# KiCad board DFTBoard.kicad_pcb (continued)
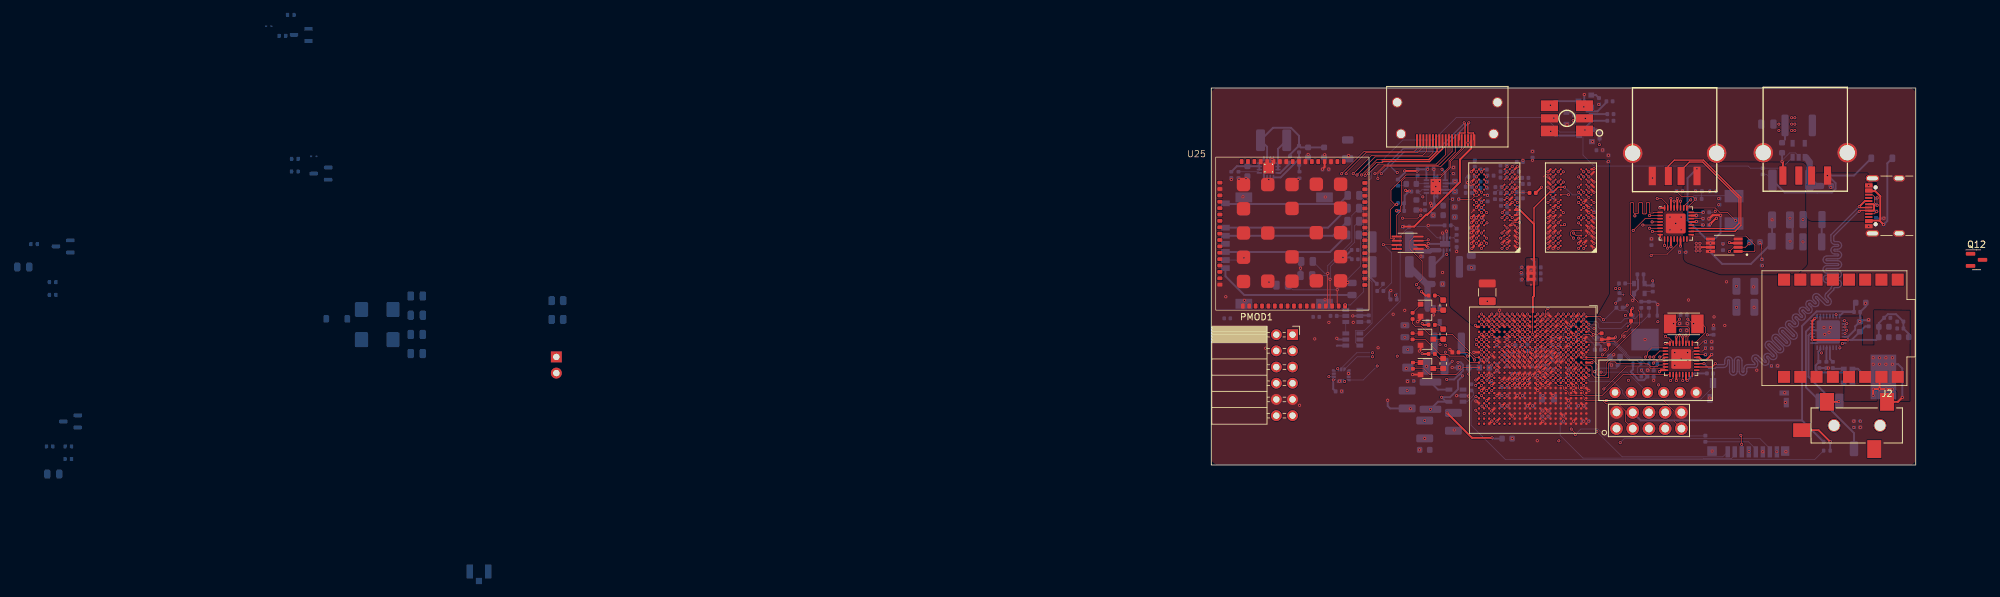
[diagram p0: board, top side]
## Library data of the parts (continued)
J2 = -: MFR: CUI Inc.; MPN: SJ-3524-SMT-TR; SPN: CP-3524SJCT-ND; SPR: Digikey
J3 = -: Description: Generic connector, single row, 01x02, script generated (kicad-library-utils/schlib/autogen/connector/)
J4 = -: MANUFACTURER: Global Connector Technology; MAXIMUM_PACKAGE_HEIGHT: 1.5mm; PARTREV: C; STANDARD: Manufacturer Recommendations
J8 = -: MFR: Amphenol ICC; MPN: 114-00841-68; SPN: 114-00841-68-1-ND; SPR: Digikey; SPURL: -
Je1 = -: Description: HDMI type A connector; MFR: Amphenol ICC; MPN: 10029449-111RLF; SPN: 609-4614-1-ND; SPR: Digikey; SPURL: -
L1-L4 L6 = -: MFR: Murata; MPN: LQH43PN2R2M26L; SPN: 490-12049-1-ND; SPR: Digikey
MIC1 = -: MFR: Knowles; MPN: SPW2430HR5H-B; SPN: 423-1394-1-ND; SPR: Digikey
Q1 Q3 Q5 Q8-Q10 = -: MFR: Infineon Technologies AG; MPN: IRLML2502TRPBF; SPN: IRLML2502PBFCT-ND; SPR: Digikey
Q2 Q4 Q6 Q11 = -: Description: NPN transistor, emitter/base/collector
Q12 = -: Description: -3.7A Id, -20V Vds, 65mOhm Rds, P-Channel HEXFET Power MOSFET, SOT-23
R1-R5 R16 R22 R27 R34 R81 R101 = -: Description: Resistor; MFR: Yageo; MPN: RC0402FR-07100KL; SPN: 311-100KLRTR-ND; SPR: Digikey
R6 R33 R36 R39 = -: Description: Resistor; MFR: Yageo; MPN: RC0402FR-0710KL; SPN: 311-10.0KLRTR-ND; SPR: Digikey
R7 R46 R49 = -: Description: Resistor; MFR: Yageo; MPN: RC0402FR-07240RL; SPN: 311-240LRTR-ND; SPR: Digikey; SPURL: -
R8-R10 R12 R14 R24 R28 R74 R107 R109 R111 R112 R114 = -: Description: Resistor, small symbol; MFR: Yageo; MPN: RC0402JR-074K7L; SPN: 311-4.7KJRCT-ND; SPR: Digikey; SPURL: -
R11 R13 R15 R19 R20 = -: Description: Resistor; MFR: Yageo; MPN: RC0402FR-07100RL; SPN: 311-100LRCT-ND; SPR: Digikey
R17 R29 R108 R110 R116 = -: Description: Resistor; MFR: Yageo; MPN: RC0402FR-0749K9L; SPN: 311-49.9KLRCT-ND; SPR: Digikey
R21 = -: Description: Resistor; MFR: Yageo; MPN: RC0402FR-07150RL; SPN: 311-150LRTR-ND; SPR: Digikey
R23 R25 R91-R97 R106 = -: Description: Resistor, small symbol; MFR: Yageo; MPN: RT0402BRD0720KL; SPN: YAG1388CT-ND; SPR: Digikey; SPURL: -
R26 = -: Description: Resistor, small symbol; MFR: Yageo; MPN: RC0402JR-0747RL; SPN: 311-47JRTR-ND; SPR: Digikey; SPURL: -
R32 R42-R45 R105 = -: Desc: Resistor SMD 0805; Link: http://www.dientuachau.com/res-1-0805
R35 R78 R80 R86 R102 = -: Description: Resistor, small symbol; MFR: Yageo; MPN: RC0402FR-07150RL; SPN: 311-150LRTR-ND; SPR: Digikey
R37 R40 = -: Description: Resistor, small symbol; MFR: Yageo; MPN: RC0402FR-071ML; SPN: 311-1.00MLRCT-ND; SPR: Digikey; SPURL: -
R38 R41 = -: Description: Resistor; MFR: Yageo; MPN: RC0402FR-078K06L; SPN: 311-8.06KLRTR-ND; SPR: Digikey; SPURL: -
R47 R48 = -: Description: Resistor, small symbol; MFR: Yageo; MPN: RC0402FR-0710KL; SPN: 311-10.0KLRCT-ND; SPR: Digikey; SPURL: -
R50 R75 R76 = -: Description: Resistor; MFR: Yageo; MPN: RC0402FR-0780R6L; SPN: 311-80.6LRTR-ND; SPR: Digikey; SPURL: -
R51-R73 = -: Description: Resistor, small symbol; MFR: Yageo; MPN: RC0402FR-0740R2L; SPN: 311-40.2LRTR-ND; SPR: Digikey; SPURL: -
R77 R79 R85 = -: Description: Resistor, small symbol; MFR: Yageo; MPN: RC0402FR-071KL; SPN: 311-1.00KLRCT-ND; SPR: Digikey
R82 R83 R98 R103 R104 = -: Description: Resistor; MFR: Yageo; MPN: RC0402JR-074K7L; SPN: 311-4.7KJRCT-ND; SPR: Digikey
R88-R90 = -: Description: Resistor; MFR: Bourns Inc; MPN: CRA2512-FZ-R050ELF; SPN: CRA2512-FZ-R050ELFCT-ND; SPR: Digikey; SPURL: -
R99 = -: Description: Resistor, small symbol; MFR: Yageo; MPN: RC0402FR-0747KL; SPN: 311-47.0KLRTR-ND; SPR: Digikey; SPURL: -
R100 = -: Description: Resistor, small symbol; MFR: Yageo; MPN: RC0402FR-0724K9L; SPN: 311-24.9KLRTR-ND; SPR: Digikey; SPURL: -
U1 U2 = -: Description: Simple Power Sequencer, SOT-23-6; MFR: Texas Instruments; MPN: LM3880MF-1AE/NOPB; SPN: LM3880MF-1AE/NOPBDKR-ND; SPR: Digikey; SPURL: -
U3 = -: MFR: Semtech Corporation; MPN: SC189ASKTRT; SPN: SC189ASKCT-ND; SPR: Digikey
U4 = -: MFR: Semtech Corporation; MPN: SC189ZSKTRT; SPN: SC189ZSKCT-ND; SPR: Digikey
U5 = -: Description: High-efficiency Step-down Converter; MFR: Texas Instruments; MPN: TLV62080DSGR; SPN: 296-39270-6-ND; SPR: Digikey; SPURL: -
U7 = -: MFR: Semtech Corporation; MPN: SC189LSKTRT; SPN: SC189LSKCT-ND; SPR: Digikey
U8 = -: Description: IC CONV DDR DDR2 DDR3 10SON; Category: Integrated Circuits (ICs); DK_Datasheet_Link: http://www.ti.com/lit/ds/symlink/tps51200.pdf; DK_Detail_Page: /product-detail/en/texas-instruments/TPS51200DRCR/296-26978-1-ND/2255274; Digi-Key_PN: 296-26978-1-ND; Family: PMIC - Voltage Regulators - Special Purpose; MFR: Texas Instruments; Manufacturer: Texas Instruments; SPN: 296-26978-1-ND; SPR: Digikey; SPURL: -; Status: Active
U9 = -: MFR: Texas Instruments; MPN: TLV320AIC3104IRHBR; SPN: 296-26818-1-ND; SPR: Digikey
U10 U12 = -: MFR: Microchip Technology; MPN: USB3320C-EZK-TR; Manufacturer: Microchip; SPN: USB3320C-EZK-CT-NDs; SPR: Digikey; SPURL: -
U11 = -: MFR: Microchip; MPN: MIC2025-1YMM-TR; SPN: MIC2025-1YMM-CT-ND; SPR: Digikey; SPURL: -
U13 = -: Description: 3A Step-Down Converter with DCS-Control, Fixed 3.3V Output Voltage, 3-17V Input Voltage, QFN-16
U15 U16 = -: Field4: V80a .256mx16 Ddr3 Sdram Plastic Commercial Pbf Fbga 1.35v; Field5: Micron Technology; Field6: None; Field7: MT41K256M16HA-125:E; Field8: Unavailable; MFR: Micron; MPN: MT41K256M16TW-107; SPN: 557-1792-ND; SPR: Digikey; SPURL: -
U18 = -: MFR: Abracon LLC; MPN: ASDMB-50.000MHZ-LC-T; Manuf: Abracon; SPN: 535-11738-2-ND; SPR: Digikey; SPURL: -
U19 = -: MFR: Cypress; SPN: 1274-1005-ND; SPR: Digikey; SPURL: -
U20 = -: MFR: Xilinx; MPN: XC7Z020-1CLG484C; SPN: 122-1850-ND; SPR: Digikey; SPURL: -
U21 = -: Description: Dual bidirectional I2C Bus and SMBus voltage level translator; MFR: Texas Instruments; MPN: PCA9306DCTR; SPN: 296-18509-2-ND; SPR: Digikey; SPURL: -
U23 = -: MFR: STMicroelectronics; SPN: 497-16705-6-ND; SPR: Digikey; SPURL: -
U24 = -: Description: Super tiny ESP32-C3 board; Availability: Not in stock; Check_prices: https://www.snapeda.com/parts/ESP32-C3%20SuperMini/Espressif+Systems/view-part/?ref=eda; MANUFACTURER: Espressif; MAXIMUM_PACKAGE_HEIGHT: 4.2mm; MF: Espressif Systems; MP: ESP32-C3 SuperMini; Package: Package; Price: None; STANDARD: Manufacturer Recommendations; SnapEDA_Link: https://www.snapeda.com/parts/ESP32-C3%20SuperMini/Espressif+Systems/view-part/?ref=snap
U25 = -: Description: A7670 Series Hardware Design; Height: 2.7; Manufacturer_Name: Sim Com; Manufacturer_Part_Number: SIM COM A7670
USB_C_ESP1 = -: Description: USB 2.0-only Type-C Receptacle connector
Y1 Y2 = -: Description: Two pin crystal; MFR: Abracon LLC; MPN: ABM3-24.000MHZ-D2Y-T; SPN: 535-10643-2-ND; SPR: DigiKey; SPURL: -

## Footprints (pads in the part's own frame, mm; a bottom-side part is the same pattern mirrored in y, then rotated)
10029449-111RLF
  rect 0.3x1.9 smd: 1(4.75,5.95) 2(4.25,5.95) 3(3.75,5.95) 4(3.25,5.95) 5(2.75,5.95) 6(2.25,5.95) 7(1.75,5.95) 8(1.25,5.95) 9(0.75,5.95) 10(0.25,5.95) 11(-0.25,5.95) 12(-0.75,5.95) 13(-1.25,5.95) 14(-1.75,5.95) 15(-2.25,5.95) 16(-2.75,5.95) 17(-3.25,5.95) 18(-3.75,5.95) 19(-4.25,5.95)
  round 1.6 hole 1.3: SH(-7.85,0) SH(-7.25,4.95) SH(7.25,4.95) SH(7.85,0)
A7670C
  rrect 0.8x0.6 smd: 1(3.65,-4) 2(3.65,-5) 3(3.65,-6) 4(3.65,-7) 5(3.65,-8) 6(3.65,-9) 7(3.65,-10) 8(3.65,-11) 9(3.65,-12) 10(3.65,-13) 11(3.65,-14) 12(3.65,-15) 13(3.65,-16) 14(3.65,-17) 15(3.65,-18) 16(3.65,-19) 17(3.65,-20) 35(26.35,-20.05) 36(26.35,-19.05) 37(26.35,-18.05) 38(26.35,-17.05) 39(26.35,-16.05) 40(26.35,-15.05) 41(26.35,-14.05) 42(26.35,-13.05) 43(26.35,-12.05) 44(26.35,-11.05) 45(26.35,-10.05) 46(26.35,-9.05) 47(26.35,-8.05) 48(26.35,-7.05) 49(26.35,-6.05) 50(26.35,-5.05) 51(26.35,-4.05)
  rrect 0.6x0.8 smd: 18(7.25,-23.35) 19(8.25,-23.35) 20(9.25,-23.35) 21(10.25,-23.35) 22(11.25,-23.35) 23(12.25,-23.35) 24(13.25,-23.35) 25(14.25,-23.35) 26(15.25,-23.35) 27(16.25,-23.35) 28(17.25,-23.35) 29(18.25,-23.35) 30(19.25,-23.35) 31(20.25,-23.35) 32(21.25,-23.35) 33(22.25,-23.35) 34(23.25,-23.35) 52(23.05,-0.7) 53(22.05,-0.7) 54(21.05,-0.7) 55(20.05,-0.7) 56(19.05,-0.7) 57(18.05,-0.7) 58(17.05,-0.7) 59(16.05,-0.7) 60(15.05,-0.7) 61(14.05,-0.7) 62(13.05,-0.7) 63(12.05,-0.7) 64(11.05,-0.7) 65(10.05,-0.7) 66(9.05,-0.7) 67(8.05,-0.7) 68(7.05,-0.7)
  rrect 2.1x2.1 smd: GND(7.35,-4.3) GND(7.35,-8.1) GND(7.35,-11.9) GND(7.35,-15.7) GND(7.35,-19.5) GND(11.15,-4.3) GND(11.15,-11.9) GND(11.15,-19.45) GND(14.95,-4.3) GND(14.95,-8.05) GND(14.95,-15.65) GND(14.95,-19.45) GND(18.75,-4.25) GND(18.75,-11.85) GND(18.75,-19.4) GND(22.55,-4.25) GND(22.55,-8) GND(22.55,-11.85) GND(22.55,-15.6) GND(22.55,-19.4)
AMPHENOL-114-00841-68
  rect 0.7x1.75 smd: 1(3.2,-5.05) 2(2.1,-5.05) 3(1,-5.05) 4(-0.1,-5.05) 5(-1.2,-5.05) 6(-2.3,-5.05) 7(-3.4,-5.05) 8(-4.5,-5.05)
  rect 1.3x1.5 smd: 6(-5.8,-4.925)
  rect 1.5x1.5 smd: 6(5.65,-4.925)
  rect 0.8x1.4 smd: 6(5.975,3.325)
  rect 1x1.55 smd: 9(5.5,5.75)
  rect 1.5x0.8 smd: 10(-5.65,4.175)
  rect 0.8x1.5 smd: 11(-5.975,2.675)
BGA-484_19.0x19.0mm_Layout22x22_P0.80mm_dia0.40mm
  round 0.4 smd: A1(-8.4,8.4) A2(-7.6,8.4) A3(-6.8,8.4) A4(-6,8.4) A5(-5.2,8.4) A6(-4.4,8.4) A7(-3.6,8.4) A8(-2.8,8.4) A9(-2,8.4) A10(-1.2,8.4) A11(-0.4,8.4) A12(0.4,8.4) A13(1.2,8.4) A14(2,8.4) A15(2.8,8.4) A16(3.6,8.4) A17(4.4,8.4) A18(5.2,8.4) A19(6,8.4) A20(6.8,8.4) A21(7.6,8.4) A22(8.4,8.4) AA1(-8.4,-7.6) AA2(-7.6,-7.6) AA3(-6.8,-7.6) AA4(-6,-7.6) AA5(-5.2,-7.6) AA6(-4.4,-7.6) AA7(-3.6,-7.6) AA8(-2.8,-7.6) AA9(-2,-7.6) AA10(-1.2,-7.6) AA11(-0.4,-7.6) AA12(0.4,-7.6) AA13(1.2,-7.6) AA14(2,-7.6) AA15(2.8,-7.6) AA16(3.6,-7.6) AA17(4.4,-7.6) AA18(5.2,-7.6) AA19(6,-7.6) AA20(6.8,-7.6) AA21(7.6,-7.6) AA22(8.4,-7.6) AB1(-8.4,-8.4) AB2(-7.6,-8.4) AB3(-6.8,-8.4) AB4(-6,-8.4) AB5(-5.2,-8.4) AB6(-4.4,-8.4) AB7(-3.6,-8.4) AB8(-2.8,-8.4) AB9(-2,-8.4) AB10(-1.2,-8.4) AB11(-0.4,-8.4) AB12(0.4,-8.4) AB13(1.2,-8.4) AB14(2,-8.4) AB15(2.8,-8.4) AB16(3.6,-8.4) AB17(4.4,-8.4) AB18(5.2,-8.4) AB19(6,-8.4) AB20(6.8,-8.4) AB21(7.6,-8.4) AB22(8.4,-8.4) B1(-8.4,7.6) B2(-7.6,7.6) B3(-6.8,7.6) B4(-6,7.6) B5(-5.2,7.6) B6(-4.4,7.6) B7(-3.6,7.6) B8(-2.8,7.6) B9(-2,7.6) B10(-1.2,7.6) B11(-0.4,7.6) B12(0.4,7.6) B13(1.2,7.6) B14(2,7.6) B15(2.8,7.6) B16(3.6,7.6) B17(4.4,7.6) B18(5.2,7.6) B19(6,7.6) B20(6.8,7.6) B21(7.6,7.6) B22(8.4,7.6) C1(-8.4,6.8) C2(-7.6,6.8) C3(-6.8,6.8) C4(-6,6.8) C5(-5.2,6.8) C6(-4.4,6.8) C7(-3.6,6.8) C8(-2.8,6.8) C9(-2,6.8) C10(-1.2,6.8) C11(-0.4,6.8) C12(0.4,6.8) C13(1.2,6.8) C14(2,6.8) C15(2.8,6.8) C16(3.6,6.8) C17(4.4,6.8) C18(5.2,6.8) C19(6,6.8) C20(6.8,6.8) C21(7.6,6.8) C22(8.4,6.8) D1(-8.4,6) D2(-7.6,6) D3(-6.8,6) D4(-6,6) D5(-5.2,6) D6(-4.4,6) D7(-3.6,6) D8(-2.8,6) D9(-2,6) D10(-1.2,6) D11(-0.4,6) D12(0.4,6) D13(1.2,6) D14(2,6) D15(2.8,6) D16(3.6,6) D17(4.4,6) D18(5.2,6) D19(6,6) D20(6.8,6) D21(7.6,6) D22(8.4,6) E1(-8.4,5.2) E2(-7.6,5.2) E3(-6.8,5.2) E4(-6,5.2) E5(-5.2,5.2) E6(-4.4,5.2) E7(-3.6,5.2) E8(-2.8,5.2) E9(-2,5.2) E10(-1.2,5.2) E11(-0.4,5.2) E12(0.4,5.2) E13(1.2,5.2) E14(2,5.2) E15(2.8,5.2) E16(3.6,5.2) E17(4.4,5.2) E18(5.2,5.2) E19(6,5.2) E20(6.8,5.2) E21(7.6,5.2) E22(8.4,5.2) F1(-8.4,4.4) F2(-7.6,4.4) F3(-6.8,4.4) F4(-6,4.4) F5(-5.2,4.4) F6(-4.4,4.4) F7(-3.6,4.4) F8(-2.8,4.4) F9(-2,4.4) F10(-1.2,4.4) F11(-0.4,4.4) F12(0.4,4.4) F13(1.2,4.4) F14(2,4.4) F15(2.8,4.4) F16(3.6,4.4) F17(4.4,4.4) F18(5.2,4.4) F19(6,4.4) F20(6.8,4.4) F21(7.6,4.4) F22(8.4,4.4) G1(-8.4,3.6) G2(-7.6,3.6) G3(-6.8,3.6) G4(-6,3.6) G5(-5.2,3.6) G6(-4.4,3.6) G7(-3.6,3.6) G8(-2.8,3.6) G9(-2,3.6) G10(-1.2,3.6) G11(-0.4,3.6) G12(0.4,3.6) G13(1.2,3.6) G14(2,3.6) G15(2.8,3.6) G16(3.6,3.6) G17(4.4,3.6) G18(5.2,3.6) G19(6,3.6) G20(6.8,3.6) G21(7.6,3.6) G22(8.4,3.6) H1(-8.4,2.8) H2(-7.6,2.8) H3(-6.8,2.8) H4(-6,2.8) H5(-5.2,2.8) H6(-4.4,2.8) H7(-3.6,2.8) H8(-2.8,2.8) H9(-2,2.8) H10(-1.2,2.8) H11(-0.4,2.8) H12(0.4,2.8) H13(1.2,2.8) H14(2,2.8) H15(2.8,2.8) H16(3.6,2.8) H17(4.4,2.8) H18(5.2,2.8) H19(6,2.8) H20(6.8,2.8) H21(7.6,2.8) H22(8.4,2.8) J1(-8.4,2) J2(-7.6,2) J3(-6.8,2) J4(-6,2) J5(-5.2,2) J6(-4.4,2) J7(-3.6,2) J8(-2.8,2) J9(-2,2) J10(-1.2,2) J11(-0.4,2) J12(0.4,2) J13(1.2,2) J14(2,2) J15(2.8,2) J16(3.6,2) J17(4.4,2) J18(5.2,2) J19(6,2) J20(6.8,2) J21(7.6,2) J22(8.4,2) K1(-8.4,1.2) K2(-7.6,1.2) K3(-6.8,1.2) K4(-6,1.2) K5(-5.2,1.2) K6(-4.4,1.2) K7(-3.6,1.2) K8(-2.8,1.2) K9(-2,1.2) K10(-1.2,1.2) K11(-0.4,1.2) K12(0.4,1.2) K13(1.2,1.2) K14(2,1.2) K15(2.8,1.2) K16(3.6,1.2) K17(4.4,1.2) K18(5.2,1.2) K19(6,1.2) K20(6.8,1.2) K21(7.6,1.2) K22(8.4,1.2) L1(-8.4,0.4) L2(-7.6,0.4) L3(-6.8,0.4) L4(-6,0.4) L5(-5.2,0.4) L6(-4.4,0.4) L7(-3.6,0.4) L8(-2.8,0.4) L9(-2,0.4) L10(-1.2,0.4) L11(-0.4,0.4) L12(0.4,0.4) L13(1.2,0.4) L14(2,0.4) L15(2.8,0.4) L16(3.6,0.4) L17(4.4,0.4) L18(5.2,0.4) L19(6,0.4) L20(6.8,0.4) L21(7.6,0.4) L22(8.4,0.4) M1(-8.4,-0.4) M2(-7.6,-0.4) M3(-6.8,-0.4) M4(-6,-0.4) M5(-5.2,-0.4) M6(-4.4,-0.4) M7(-3.6,-0.4) M8(-2.8,-0.4) M9(-2,-0.4) M10(-1.2,-0.4) M11(-0.4,-0.4) M12(0.4,-0.4) M13(1.2,-0.4) M14(2,-0.4) M15(2.8,-0.4) M16(3.6,-0.4) M17(4.4,-0.4) M18(5.2,-0.4) M19(6,-0.4) M20(6.8,-0.4) M21(7.6,-0.4) M22(8.4,-0.4) N1(-8.4,-1.2) N2(-7.6,-1.2) N3(-6.8,-1.2) N4(-6,-1.2) N5(-5.2,-1.2) N6(-4.4,-1.2) N7(-3.6,-1.2) N8(-2.8,-1.2) N9(-2,-1.2) N10(-1.2,-1.2) N11(-0.4,-1.2) N12(0.4,-1.2) N13(1.2,-1.2) N14(2,-1.2) N15(2.8,-1.2) N16(3.6,-1.2) N17(4.4,-1.2) N18(5.2,-1.2) N19(6,-1.2) N20(6.8,-1.2) N21(7.6,-1.2) N22(8.4,-1.2) P1(-8.4,-2) P2(-7.6,-2) P3(-6.8,-2) P4(-6,-2) P5(-5.2,-2) P6(-4.4,-2) P7(-3.6,-2) P8(-2.8,-2) P9(-2,-2) P10(-1.2,-2) P11(-0.4,-2) P12(0.4,-2) P13(1.2,-2) P14(2,-2) P15(2.8,-2) P16(3.6,-2) P17(4.4,-2) P18(5.2,-2) P19(6,-2) P20(6.8,-2) P21(7.6,-2) P22(8.4,-2) R1(-8.4,-2.8) R2(-7.6,-2.8) R3(-6.8,-2.8) R4(-6,-2.8) R5(-5.2,-2.8) R6(-4.4,-2.8) R7(-3.6,-2.8) R8(-2.8,-2.8) R9(-2,-2.8) R10(-1.2,-2.8) R11(-0.4,-2.8) R12(0.4,-2.8) R13(1.2,-2.8) R14(2,-2.8) R15(2.8,-2.8) R16(3.6,-2.8) R17(4.4,-2.8) R18(5.2,-2.8) R19(6,-2.8) R20(6.8,-2.8) R21(7.6,-2.8) R22(8.4,-2.8) T1(-8.4,-3.6) T2(-7.6,-3.6) T3(-6.8,-3.6) T4(-6,-3.6) T5(-5.2,-3.6) T6(-4.4,-3.6) T7(-3.6,-3.6) T8(-2.8,-3.6) T9(-2,-3.6) T10(-1.2,-3.6) T11(-0.4,-3.6) T12(0.4,-3.6) T13(1.2,-3.6) T14(2,-3.6) T15(2.8,-3.6) T16(3.6,-3.6) T17(4.4,-3.6) T18(5.2,-3.6) T19(6,-3.6) T20(6.8,-3.6) T21(7.6,-3.6) T22(8.4,-3.6) U1(-8.4,-4.4) U2(-7.6,-4.4) U3(-6.8,-4.4) U4(-6,-4.4) U5(-5.2,-4.4) U6(-4.4,-4.4) U7(-3.6,-4.4) U8(-2.8,-4.4) U9(-2,-4.4) U10(-1.2,-4.4) U11(-0.4,-4.4) U12(0.4,-4.4) U13(1.2,-4.4) U14(2,-4.4) U15(2.8,-4.4) U16(3.6,-4.4) U17(4.4,-4.4) U18(5.2,-4.4) U19(6,-4.4) U20(6.8,-4.4) U21(7.6,-4.4) U22(8.4,-4.4) V1(-8.4,-5.2) V2(-7.6,-5.2) V3(-6.8,-5.2) V4(-6,-5.2) V5(-5.2,-5.2) V6(-4.4,-5.2) V7(-3.6,-5.2) V8(-2.8,-5.2) V9(-2,-5.2) V10(-1.2,-5.2) V11(-0.4,-5.2) V12(0.4,-5.2) V13(1.2,-5.2) V14(2,-5.2) V15(2.8,-5.2) V16(3.6,-5.2) V17(4.4,-5.2) V18(5.2,-5.2) V19(6,-5.2) V20(6.8,-5.2) V21(7.6,-5.2) V22(8.4,-5.2) W1(-8.4,-6) W2(-7.6,-6) W3(-6.8,-6) W4(-6,-6) W5(-5.2,-6) W6(-4.4,-6) W7(-3.6,-6) W8(-2.8,-6) W9(-2,-6) W10(-1.2,-6) W11(-0.4,-6) W12(0.4,-6) W13(1.2,-6) W14(2,-6) W15(2.8,-6) W16(3.6,-6) W17(4.4,-6) W18(5.2,-6) W19(6,-6) W20(6.8,-6) W21(7.6,-6) W22(8.4,-6) Y1(-8.4,-6.8) Y2(-7.6,-6.8) Y3(-6.8,-6.8) Y4(-6,-6.8) Y5(-5.2,-6.8) Y6(-4.4,-6.8) Y7(-3.6,-6.8) Y8(-2.8,-6.8) Y9(-2,-6.8) Y10(-1.2,-6.8) Y11(-0.4,-6.8) Y12(0.4,-6.8) Y13(1.2,-6.8) Y14(2,-6.8) Y15(2.8,-6.8) Y16(3.6,-6.8) Y17(4.4,-6.8) Y18(5.2,-6.8) Y19(6,-6.8) Y20(6.8,-6.8) Y21(7.6,-6.8) Y22(8.4,-6.8)
C_0402_1005Metric
  rrect 0.59x0.64 smd: 1(-0.485,0) 2(0.485,0)
C_0603_1608Metric
  rrect 0.875x0.95 smd: 1(-0.787,0) 2(0.787,0)
C_0805_2012Metric
  rrect 0.975x1.4 smd: 1(-0.938,0) 2(0.938,0)
C_0805_2012Metric#2
  rrect 1x1.45 smd: 1(-0.95,0) 2(0.95,0)
C_1206_3216Metric
  rrect 1.25x1.75 smd: 1(-1.4,0) 2(1.4,0)
C_1206_3216Metric#2
  rrect 1.15x1.8 smd: 1(-1.475,0) 2(1.475,0)
C_1210_3225Metric
  rrect 1.25x2.65 smd: 1(-1.4,0) 2(1.4,0)
C_1210_3225Metric#2
  rrect 1.15x2.7 smd: 1(-1.475,0) 2(1.475,0)
C_1812_4532Metric
  rrect 1.125x3.4 smd: 1(-2.138,0) 2(2.138,0)
C_1812_4532Metric#2
  rrect 1.4x3.4 smd: 1(-2.05,0) 2(2.05,0)
CP_EIA-3528-12_Kemet-T
  rrect 1.325x2.35 smd: 1(-1.538,0) 2(1.538,0)
CP_EIA-6032-15_Kemet-U
  rrect 2.075x2.35 smd: 1(-2.462,0) 2(2.462,0)
D_SOD-123
  rrect 0.9x1.2 smd: 1(-1.65,0) 2(1.65,0)
D_SOD-923
  rrect 0.36x0.25 smd: 1(-0.42,0) 2(0.42,0)
FBGA-96-DDR3-SDRAM
  round 0.33 smd: A1(-3.2,6) A2(-2.4,6) A3(-1.6,6) A7(1.6,6) A8(2.4,6) A9(3.2,6) B1(-3.2,5.2) B2(-2.4,5.2) B3(-1.6,5.2) B7(1.6,5.2) B8(2.4,5.2) B9(3.2,5.2) C1(-3.2,4.4) C2(-2.4,4.4) C3(-1.6,4.4) C7(1.6,4.4) C8(2.4,4.4) C9(3.2,4.4) D1(-3.2,3.6) D2(-2.4,3.6) D3(-1.6,3.6) D7(1.6,3.6) D8(2.4,3.6) D9(3.2,3.6) E1(-3.2,2.8) E2(-2.4,2.8) E3(-1.6,2.8) E7(1.6,2.8) E8(2.4,2.8) E9(3.2,2.8) F1(-3.2,2) F2(-2.4,2) F3(-1.6,2) F7(1.6,2) F8(2.4,2) F9(3.2,2) G1(-3.2,1.2) G2(-2.4,1.2) G3(-1.6,1.2) G7(1.6,1.2) G8(2.4,1.2) G9(3.2,1.2) H1(-3.2,0.4) H2(-2.4,0.4) H3(-1.6,0.4) H7(1.6,0.4) H8(2.4,0.4) H9(3.2,0.4) J1(-3.2,-0.4) J2(-2.4,-0.4) J3(-1.6,-0.4) J7(1.6,-0.4) J8(2.4,-0.4) J9(3.2,-0.4) K1(-3.2,-1.2) K2(-2.4,-1.2) K3(-1.6,-1.2) K7(1.6,-1.2) K8(2.4,-1.2) K9(3.2,-1.2) L1(-3.2,-2) L2(-2.4,-2) L3(-1.6,-2) L7(1.6,-2) L8(2.4,-2) L9(3.2,-2) M1(-3.2,-2.8) M2(-2.4,-2.8) M3(-1.6,-2.8) M7(1.6,-2.8) M8(2.4,-2.8) M9(3.2,-2.8) N1(-3.2,-3.6) N2(-2.4,-3.6) N3(-1.6,-3.6) N7(1.6,-3.6) N8(2.4,-3.6) N9(3.2,-3.6) P1(-3.2,-4.4) P2(-2.4,-4.4) P3(-1.6,-4.4) P7(1.6,-4.4) P8(2.4,-4.4) P9(3.2,-4.4) R1(-3.2,-5.2) R2(-2.4,-5.2) R3(-1.6,-5.2) R7(1.6,-5.2) R8(2.4,-5.2) R9(3.2,-5.2) T1(-3.2,-6) T2(-2.4,-6) T3(-1.6,-6) T7(1.6,-6) T8(2.4,-6) T9(3.2,-6)
FTDI_CONN
  round 1.778 hole 1.016: 1(0,-6.35) 2(0,-3.81) 3(0,-1.27) 4(0,1.27) 5(0,3.81) 6(0,6.35)
GCT_SIM7100-6-1-15-00-A_REVC
  rect 1.56x2.61 smd: 1(-8.34,5.34) 2(-8.34,-7.29) 3(8.34,-7.29) 4(8.34,5.34)
  rect 0.9x1.35 smd: C1(2.755,8.215) C2(0.215,8.215) C3(-2.325,8.215) C5(1.485,8.215) C6(-1.055,8.215) C7(-3.595,8.215) CD(-7.405,8.215)
gndtie
  rect 3x4 smd: 1(-2,0) 2(2,0)
IPEX
  rect 1x2.2 smd: 1(-1.5,-3.6) 2(1.4,-3.6)
  rect 1x1 smd: 3(-0.05,-5.1)
LED_0805_2012Metric
  rrect 0.975x1.4 smd: 1(-0.938,0) 2(0.938,0)
LGA-14_3x2.5mm_P0.5mm_LayoutBorder3x4y
  custom 0.625x0.4 smd: 1(-1.163,0.75) 4(-1.163,-0.75) 8(1.163,-0.75) 11(1.163,0.75)
  rrect 0.625x0.4 smd: 2(-1.163,0.25)
  rrect 0.625x0.38 smd: 3(-1.163,-0.25) 9(1.163,-0.25) 10(1.163,0.24)
  custom 0.4x0.625 smd: 5(-0.5,-0.912) 7(0.5,-0.912) 12(0.5,0.912) 14(-0.5,0.912)
  rrect 0.38x0.625 smd: 6(0,-0.912) 13(0,0.912)
MIC_SPW2430HR5H-B
  rect 0.9x0.66 smd: 1(-0.675,1.095) 2(-0.675,-1.095) 3(0.675,-1.095) 4(0.675,1.095)
MODULE_ESP32-C3_SUPERMINI
  rect 1.905x1.905 smd: 0(7.62,-7.88) 1(7.62,-5.34) 2(7.62,-2.8) 3(7.62,-0.26) 3.3(7.62,4.82) 4(7.62,2.28) 5(-7.62,9.9) 5V(7.62,9.9) 6(-7.62,7.36) 7(-7.62,4.82) 8(-7.62,2.28) 9(-7.62,-0.26) 10(-7.62,-2.8) 20(-7.62,-5.34) 21(-7.62,-7.88) G(7.62,7.36)
PinSocket_1x02_P2.54mm_Vertical
  rect 1.7x1.7 hole 1: 1(0,0)
  oval 1.7x1.7 hole 1: 2(0,-2.54)
PinSocket_2x06_P2.54mm_Horizontal
  rect 1.7x1.7 hole 1: 1(0,0)
  oval 1.7x1.7 hole 1: 2(-2.54,0) 3(0,-2.54) 4(-2.54,-2.54) 5(0,-5.08) 6(-2.54,-5.08) 7(0,-7.62) 8(-2.54,-7.62) 9(0,-10.16) 10(-2.54,-10.16) 11(0,-12.7) 12(-2.54,-12.7)
PLCC6-SM-RGB-LED
  rect 2.7x1.699 smd: 1(-2.751,1.976) 3(-2.751,-1.976) 4(2.751,-1.976) 6(2.751,1.976)
  rect 2.7x1.3 smd: 2(-2.751,0) 5(2.751,0)
QFN-32-1EP_5x5mm_P0.5mm_EP3.1x3.1mm
  rrect 0.83x0.83 smd: (-1.03,1.03) (-1.03,0) (-1.03,-1.03) (0,1.03) (0,0) (0,-1.03) (1.03,1.03) (1.03,0) (1.03,-1.03)
  rrect 0.875x0.25 smd: 1(-2.438,1.75) 2(-2.438,1.25) 3(-2.438,0.75) 4(-2.438,0.25) 5(-2.438,-0.25) 6(-2.438,-0.75) 7(-2.438,-1.25) 8(-2.438,-1.75) 17(2.438,-1.75) 18(2.438,-1.25) 19(2.438,-0.75) 20(2.438,-0.25) 21(2.438,0.25) 22(2.438,0.75) 23(2.438,1.25) 24(2.438,1.75)
  rrect 0.25x0.875 smd: 9(-1.75,-2.438) 10(-1.25,-2.438) 11(-0.75,-2.438) 12(-0.25,-2.438) 13(0.25,-2.438) 14(0.75,-2.438) 15(1.25,-2.438) 16(1.75,-2.438) 25(1.75,2.438) 26(1.25,2.438) 27(0.75,2.438) 28(0.25,2.438) 29(-0.25,2.438) 30(-0.75,2.438) 31(-1.25,2.438) 32(-1.75,2.438)
  rrect 3.1x3.1 smd: 33(0,0)
QFN-32-1EP_5x5mm_P0.5mm_EP3.65x3.65mm
  rrect 0.98x0.98 smd: (-1.22,-1.22) (-1.22,0) (-1.22,1.22) (0,-1.22) (0,0) (0,1.22) (1.22,-1.22) (1.22,0) (1.22,1.22)
  rrect 0.75x0.25 smd: 1(-2.475,1.75) 2(-2.475,1.25) 3(-2.475,0.75) 4(-2.475,0.25) 5(-2.475,-0.25) 6(-2.475,-0.75) 7(-2.475,-1.25) 8(-2.475,-1.75) 17(2.475,-1.75) 18(2.475,-1.25) 19(2.475,-0.75) 20(2.475,-0.25) 21(2.475,0.25) 22(2.475,0.75) 23(2.475,1.25) 24(2.475,1.75)
  rrect 0.25x0.75 smd: 9(-1.75,-2.475) 10(-1.25,-2.475) 11(-0.75,-2.475) 12(-0.25,-2.475) 13(0.25,-2.475) 14(0.75,-2.475) 15(1.25,-2.475) 16(1.75,-2.475) 25(1.75,2.475) 26(1.25,2.475) 27(0.75,2.475) 28(0.25,2.475) 29(-0.25,2.475) 30(-0.75,2.475) 31(-1.25,2.475) 32(-1.75,2.475)
  rrect 3.65x3.65 smd: 33(0,0)
R_0402_1005Metric
  rrect 0.59x0.64 smd: 1(-0.485,0) 2(0.485,0)
R_0402_1005Metric#2
  rrect 0.54x0.64 smd: 1(-0.51,0) 2(0.51,0)
R_0805_2012Metric
  rrect 1.025x1.4 smd: 1(-0.912,0) 2(0.912,0)
R_2512_6332Metric
  rrect 1.35x3.35 smd: 1(-2.9,0) 2(2.9,0)
SJ-352X-SMT
  rect 2.2x2.8 smd: 1(0,-3.7) 2(9.4,-3.7) 3(2,3.7)
  rect 2.8x2.2 smd: 4(13.3,0.75)
  round 2 hole 1.7: ~(1.1,0) ~(8.3,0)
SOP65P490X110-8N
  rect 1.42x0.47 smd: 1(-2.165,0.975) 2(-2.165,0.325) 3(-2.165,-0.325) 4(-2.165,-0.975) 5(2.165,-0.975) 6(2.165,-0.325) 7(2.165,0.325) 8(2.165,0.975)
SOT-23
  rect 0.9x0.8 smd: 1(-1,0.95) 2(-1,-0.95) 3(1,0)
SOT-23#2
  rrect 1.475x0.6 smd: 1(-0.938,0.95) 2(-0.938,-0.95) 3(0.938,0)
SOT-23-3
  rrect 1.325x0.6 smd: 1(-1.137,0.95) 2(-1.137,-0.95) 3(1.137,0)
SOT-23-5
  rect 1.06x0.65 smd: 1(-1.1,0.95) 2(-1.1,0) 3(-1.1,-0.95) 4(1.1,-0.95) 5(1.1,0.95)
SOT-23-6
  rect 1.06x0.65 smd: 1(-1.1,0.95) 2(-1.1,0) 3(-1.1,-0.95) 4(1.1,-0.95) 5(1.1,0) 6(1.1,0.95)
SSOP-8_2.95x2.8mm_P0.65mm
  rect 1.6x0.3 smd: 1(-1.7,0.975) 2(-1.7,0.325) 3(-1.7,-0.325) 4(-1.7,-0.975) 5(1.7,-0.975) 6(1.7,-0.325) 7(1.7,0.325) 8(1.7,0.975)
USB-A-Receptacle-FCI_87583
  rect 1.12x2.88 smd: 1(-3.5,1.44) 2(-1.001,1.44) 3(1.001,1.44) 4(3.5,1.44)
  round 3.048 hole 2.388: 5(-6.571,-2.141) 5(6.571,-2.141)
USB_C_Receptacle_GCT_USB4105-xx-A_16P_TopMnt_Horizontal
  round 0.65 hole 0.65 unplated: (-2.89,2.605) (2.89,2.605)
  rect 0.6x1.15 smd: A1(-3.2,3.68) A4(-2.4,3.68) A9(2.4,3.68) A12(3.2,3.68) B1(3.2,3.68) B4(2.4,3.68) B9(-2.4,3.68) B12(-3.2,3.68)
  rect 0.3x1.15 smd: A5(-1.25,3.68) A6(-0.25,3.68) A7(0.25,3.68) A8(1.25,3.68) B5(1.75,3.68) B6(0.75,3.68) B7(-0.75,3.68) B8(-1.75,3.68)
  oval 1x2.1 hole 0.6x1.7: S1(-4.32,3.105) S1(4.32,3.105)
  oval 1x1.8 hole 0.6x1.4: S1(-4.32,-1.075) S1(4.32,-1.075)
VQFN-16-1EP_3x3mm_P0.5mm_EP1.68x1.68mm_ThermalVias
  rrect 0.73x0.73 smd: (-0.42,-0.42) (-0.42,0.42) (0.42,-0.42) (0.42,0.42)
  rrect 0.825x0.25 smd: 1(-1.462,0.75) 2(-1.462,0.25) 3(-1.462,-0.25) 4(-1.462,-0.75) 9(1.462,-0.75) 10(1.462,-0.25) 11(1.462,0.25) 12(1.462,0.75)
  rrect 0.25x0.825 smd: 5(-0.75,-1.462) 6(-0.25,-1.462) 7(0.25,-1.462) 8(0.75,-1.462) 13(0.75,1.462) 14(0.25,1.462) 15(-0.25,1.462) 16(-0.75,1.462)
  round 0.5 hole 0.2: 17(-0.59,-0.59) 17(-0.59,0.59) 17(0.59,-0.59) 17(0.59,0.59)
  rect 1.68x1.68 smd far side: 17(0,0)
  rect 1.68x1.68 smd: 17(0,0)
VSON-10-1EP_3x3mm_P0.5mm_EP1.65x2.4mm_ThermalVias
  rect 0.64x0.64 smd: (-0.48,-0.86) (-0.48,0) (-0.48,0.86) (0.48,-0.86) (0.48,0) (0.48,0.86)
  rect 0.85x0.28 smd: 1(-1.475,1) 2(-1.475,0.5) 3(-1.475,0) 4(-1.475,-0.5) 5(-1.475,-1) 6(1.475,-1) 7(1.475,-0.5) 8(1.475,0) 9(1.475,0.5) 10(1.475,1)
  rect 0.28x0.7 smd: 11(-0.25,-1.55) 11(-0.25,1.55) 11(0.25,-1.55) 11(0.25,1.55)
  rect 1.65x2.4 smd far side: 11(0,0)
  rect 1.65x2.4 smd: 11(0,0)
WSON-8-1EP_2x2mm_P0.5mm_EP0.9x1.6mm
  rect 0.75x0.65 smd: (0,-0.4) (0,0.4)
  rect 0.5x0.25 smd: 1(-0.95,0.75) 2(-0.95,0.25) 3(-0.95,-0.25) 4(-0.95,-0.75) 5(0.95,-0.75) 6(0.95,-0.25) 7(0.95,0.25) 8(0.95,0.75)
  rect 0.9x1.6 smd: 9(0,0)
WSON-8-1EP_8x6mm_P1.27mm_EP3.4x4.3mm
  rrect 1.37x1.73 smd: (-0.85,-1.075) (-0.85,1.075) (0.85,-1.075) (0.85,1.075)
  rrect 0.65x0.5 smd: 1(-3.75,1.905) 2(-3.75,0.635) 3(-3.75,-0.635) 4(-3.75,-1.905) 5(3.75,-1.905) 6(3.75,-0.635) 7(3.75,0.635) 8(3.75,1.905)
  rect 3.4x4.3 smd: 9(0,0)
XilinxJTAG
  round 2 hole 1.2: 1(1.27,-5.08) 2(-1.27,-5.08) 3(1.27,-2.54) 4(-1.27,-2.54) 5(1.27,0) 6(-1.27,0) 7(1.27,2.54) 8(-1.27,2.54) 9(1.27,5.08) 10(-1.27,5.08)
XTAL500X320X130N
  rect 1.95x2.95 smd: 1(-2.15,0) 2(2.15,0)
XTAL_ASDMB-24.000MHZ-LC-T
  rect 0.85x0.65 smd: 1(-0.775,0.825) 2(-0.775,-0.825) 3(0.775,-0.825) 4(0.775,0.825)

## Nets
1v0en: R1.2 U1.6 U3.3
1v8en: R2.2 U1.5 U7.3
1v35en: R4.2 U2.5 U5.1
1v35PG: U5.6 U20.V4
3v3en: R3.2 U2.6 U4.3
+1V0: C8.1 C9.1 C11.1 C12.1 C23.1 C24.1 C25.1 C27.1 C28.1 C29.1 C30.1 C31.1 L3.2 U3.4 U20.G8 U20.H9 U20.H11 U20.J8 U20.J10 U20.J12 U20.J14 U20.K13 U20.L8 U20.L14 U20.M13 U20.N8 U20.N14 U20.P13 U20.R8 U20.R14
+1V8: C4.1 C5.1 C6.1 C14.1 C15.1 C17.1 C18.1 C19.1 C20.1 C22.1 C26.1 C32.1 C51.1 C53.1 C78.1 C87.1 CON1.4 FB1.2 L4.2 R9.2 R10.2 R16.2 U7.4 U9.32 U10.28 U10.30 U12.28 U12.30 U20.H10 U20.K9 U20.K11 U20.M9 U20.P9 U20.R12 U20.T7 U20.T8 U20.T9 U20.T10
+1V35: C7.1 C94.1 C96.1 C99.1 C100.1 C101.1 C102.1 C103.1 C104.1 C109.1 C110.1 C125.1 C126.1 L1.2 R6.2 R47.1 R75.2 U5.5 U8.2 U15.A1 U15.A8 U15.B2 U15.C1 U15.C9 U15.D2 U15.D9 U15.E9 U15.F1 U15.G7 U15.H2 U15.H9 U15.K2 U15.K8 U15.N1 U15.N9 U15.R1 U15.R9 U16.A1 U16.A8 U16.B2 U16.C1 U16.C9 U16.D2 U16.D9 U16.E9 U16.F1 U16.G7 U16.H2 U16.H9 U16.K2 U16.K8 U16.N1 U16.N9 U16.R1 U16.R9 U20.E2 U20.F5 U20.H1 U20.J4 U20.K7 U20.M3 U20.N6 U20.R2 U20.V1
+3V3: C10.1 C39.2 C41.2 C46.1 C47.1 C50.1 C52.2 C54.2 C55.1 C56.2 C57.1 C58.2 C59.1 C60.1 C61.1 C62.1 C65.1 C66.1 C67.1 C68.1 C70.1 C71.1 C79.1 C81.1 C82.1 C107.1 C113.1 C114.1 C115.1 C116.1 C117.1 C118.1 C119.1 C120.1 C121.1 C122.1 C123.1 C127.2 J8.4 L2.2 R5.1 R25.1 R33.2 R35.2 R82.1 R83.1 R95.2 R98.2 R99.1 R101.1 R102.2 R103.1 R104.1 R106.2 U4.4 U8.10 U9.7 U9.18 U9.24 U9.25 U10.8 U10.11 U10.14 U10.32 U12.8 U12.11 U12.14 U12.32 U17.3 U18.4 U19.8 U20.A10 U20.AA10 U20.AA20 U20.AB3 U20.AB13 U20.B3 U20.B13 U20.C6 U20.D9 U20.E12 U20.T5 U20.U8 U20.U18 U20.V11 U20.V21 U20.W4 U20.W14 U20.Y7 U20.Y17 U21.2 U23.5 U23.8 U23.12
+3V8: C48.1 C49.1 C89.1 C111.1 C112.1 C124.1 C132.1 C133.1 C135.1 C136.1 C137.1 C138.1 C139.1 C140.1 D2.1 D8.1 D9.1 L6.2 R22.2 R27.2 U13.14 U25.55 U25.56 U25.57
+5V: C2.1 C36.2 C37.2 C43.1 C63.1 C64.1 C72.1 C77.1 C86.1 CDBMS540LR-HF1.1 J1.1 Je1.18 Q12.2 R1.1 R2.1 R3.1 R4.1 R19.1 R20.1 R21.1 R39.2 R78.1 R80.2 R81.2 R86.2 R88.1 R89.1 R90.1 U1.1 U2.1 U3.1 U10.21 U11.7 U12.21 U13.10 U13.11 U13.12 U13.13
/Power/1V0TOLX: L3.1 U3.5
/Power/1V8_CS: C13.1 R90.2 U7.1
/Power/1V8TOLX: L4.1 U7.5
/Power/1V35_CS: C108.1 R89.2 U5.8
/Power/3V3_CS: C3.1 R88.2 U4.1
/Power/3V3TOLX: L2.1 U4.5
/Power/VCCAUX: C33.1 C34.1 FB1.1 U20.L10 U20.N10 U20.P11 U20.R10
